# Altium PCB SPEC-A7.PcbDoc (part 5 of 10)
Units mm, origin at the board's own origin, x right, y up, seen from the top; angles counter-clockwise.
Board outline 160 x 100 mm, 6 copper layers (Top Layer, L2, L3, L4, L5, Bottom Layer), stack 1.61 mm thick; 746 components, 489 nets, 2774 pads, 1740 vias.
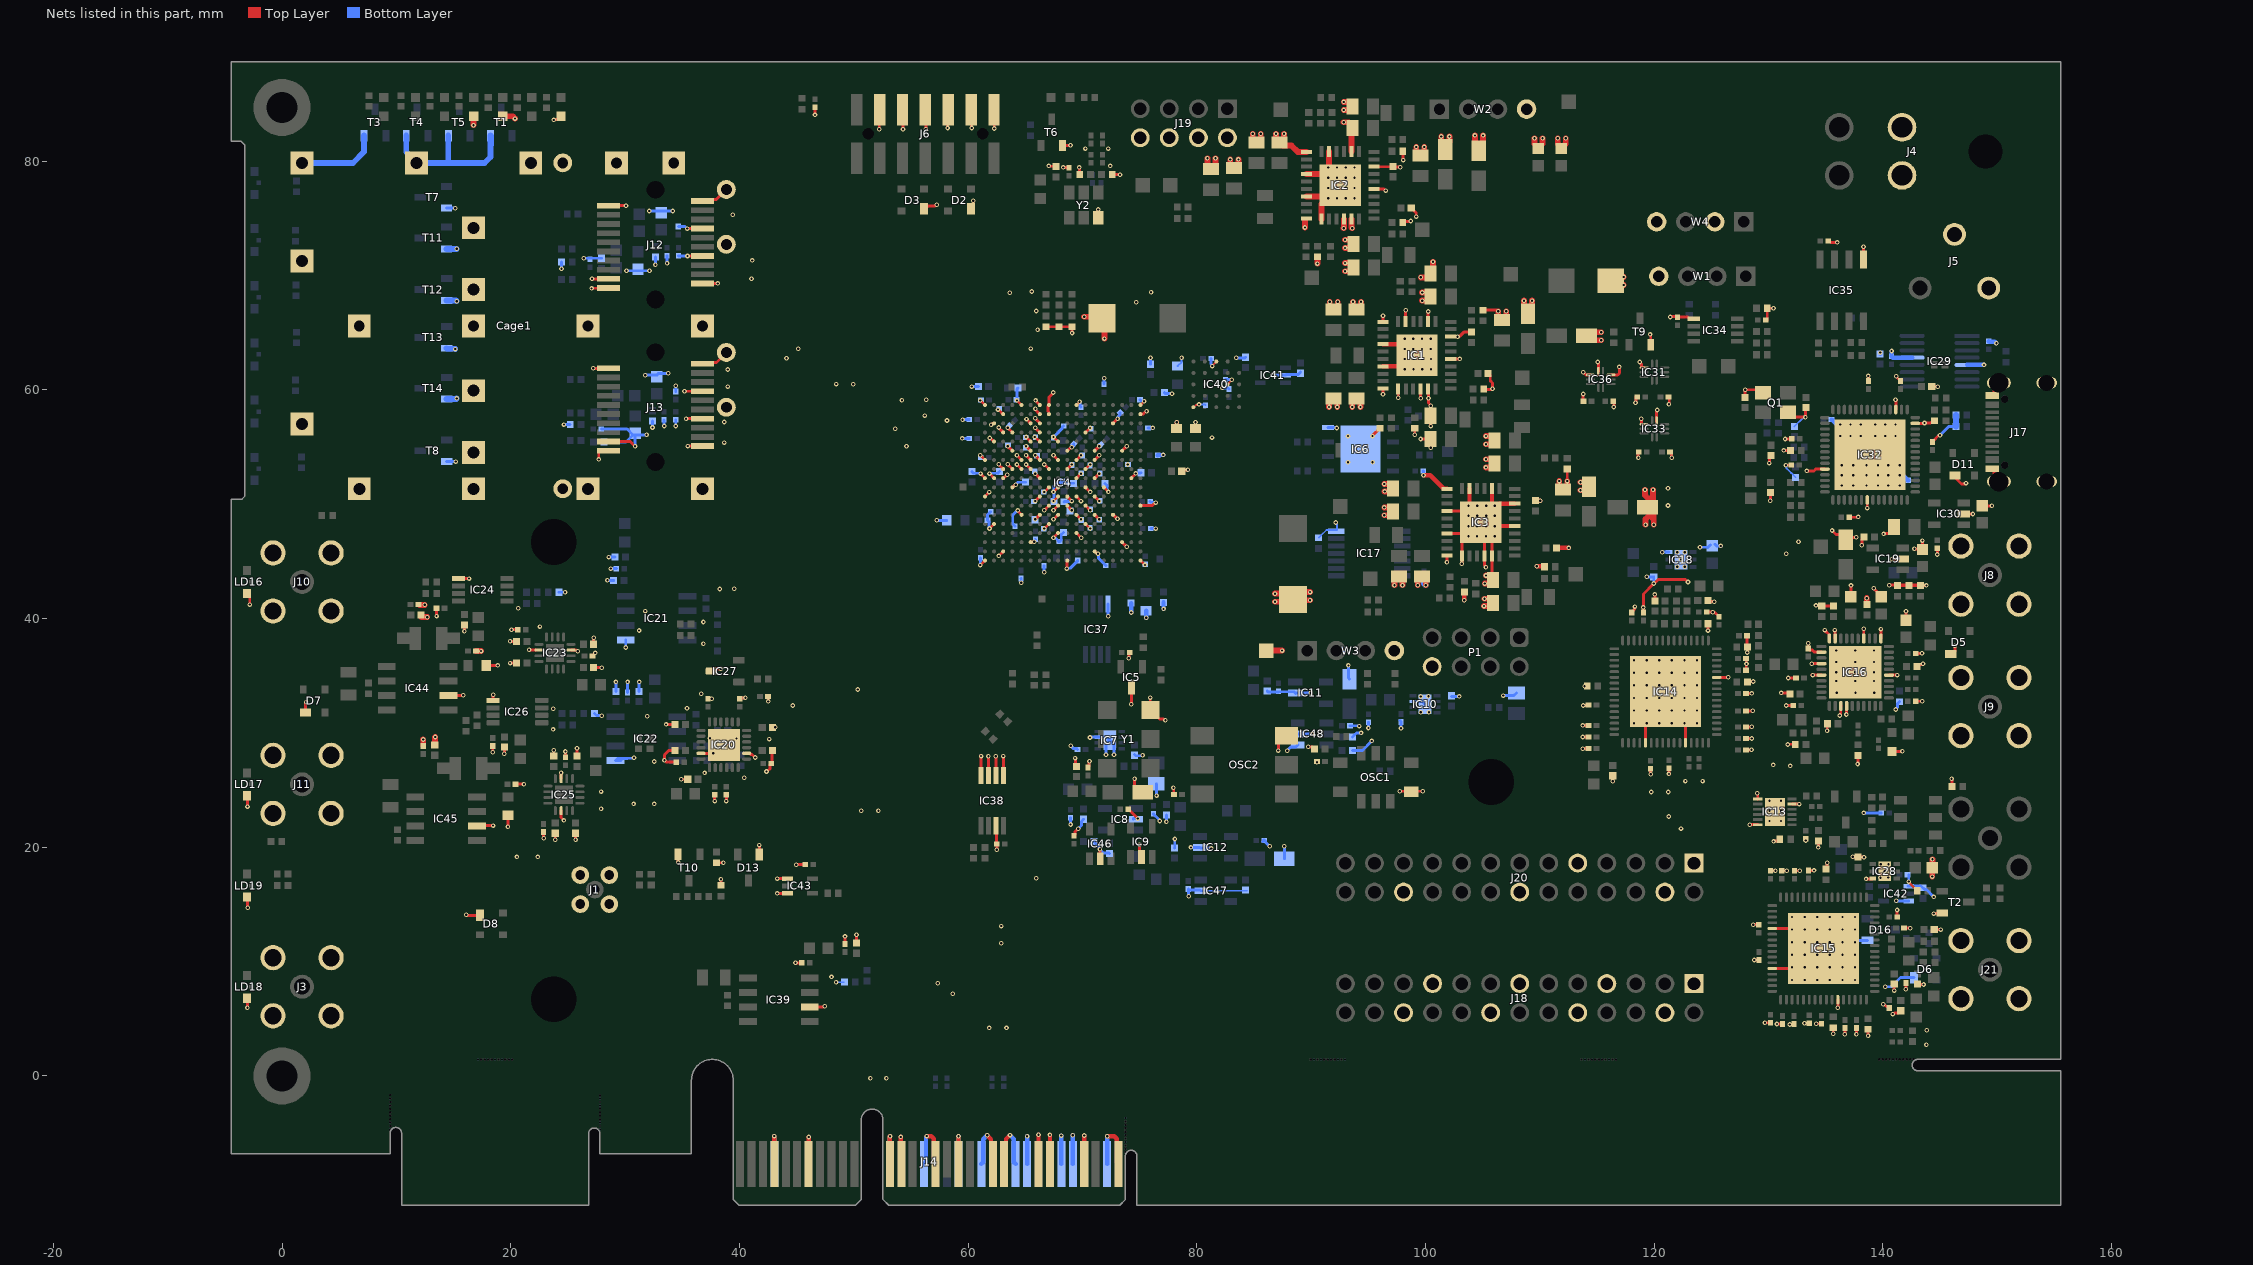
[diagram p9: the nets of this part, all layers, seen from the top]

## Via types
v1: diameter 0.4, hole 0.2, Top Layer to Bottom Layer, tented both sides, 1622 vias
v2: diameter 0.5, hole 0.2, Top Layer to Bottom Layer, tented both sides, 73 vias
v3: diameter 0.4, hole 0.2, Top Layer to Bottom Layer, 45 vias

## Nets (pads, with @x,y where several pads share a name; then routed paths per layer and width w, separated by ;. In a path a pad name is that pad's centre, name@x,y a point inside that pad or via, vN(x,y) a via of type N, cw(c..) or ccw(c..) an arc to the next point about the centre after c; other vN are vias at no path point) (continued)
GND: C1.2 C2.2 C3.2 C4.2 C5.2 C6.2 C7.1 C8.1 C9.1 C10.1 C11.1 C12.1 C13.1 C14.1 C15.1 C16.1 C17.1 C18.1 C19.1 C20.1 C21.1 C22.1 C23.1 C24.1 C25.1 C26.1 C27.1 C28.1 C29.1 C30.1 C31.1 C32.1 C33.1 C34.1 C35.1 C36.1 C37.1 C38.1 C39.1 C40.1 C41.1 C42.1 C43.1 C52.1 C54.1 C56.1 C57.1 C58.1 C59.1 C60.1 C61.1 C62.1 C63.1 C64.1 C65.1 C66.1 C67.1 C68.1 C69.1 C70.1 C71.1 C72.1 C73.1 C74.1 C75.1 C76.1 C77.1 C78.1 C79.1 C80.1 C81.1 C82.1 C83.1 C84.1 C85.1 C86.1 C87.1 C88.1 C89.1 C90.1 C91.1 C92.1 C93.1 C94.1 C95.1 C96.1 C97.1 C98.1 C99.1 C100.1 C101.1 C102.1 C103.2 C104.2 C105.1 C106.1 C107.1 C108.1 C109.1 C110.1 C111.1 C112.1 C113.1 C114.1 C115.1 C116.1 C117.1 C118.1 C119.1 C120.1 C121.1 C122.1 C123.1 C124.1 C125.1 C126.1 C127.1 C128.1 C129.1 C130.1 C131.1 C132.1 C133.1 C134.1 C135.1 C136.1 C137.1 C138.1 C139.1 C140.1 C141.1 C142.1 C143.1 C144.1 C145.1 C146.2 C147.1 C148.1 C149.1 C150.1 C153.1 C154.1 C155.1 C156.1 C157.2 C158.1 C159.1 C160.1 C161.2 C162.1 C163.1 C164.1 C168.2 C171.1 C172.1 C175.1 C176.1 C181.1 C182.1 C183.1 C184.1 C185.1 C186.1 C187.1 C188.1 C189.1 C190.1 C191.1 C192.1 C193.1 C194.1 C195.1 C196.1 C197.1 C198.1 C199.1 C200.1 C201.1 C202.1 C203.1 C204.1 C205.1 C206.1 C207.1 C208.1 C209.1 C210.1 C211.1 C212.1 C213.1 C214.1 C215.1 C216.1 C217.1 C218.1 C219.1 C220.1 C225.1 C226.1 C227.1 C229.1 C230.1 C231.1 C232.1 C233.1 C234.1 C235.1 C236.1 C237.1 C238.1 C239.1 C240.2 C241.1 C242.1 C243.1 C244.1 C245.1 C246.1 C247.1 C248.1 C249.1 C250.1 C251.1 C252.1 C253.1 C254.1 C255.1 C256.1 C257.1 C258.1 C259.1 C260.1 C261.1 C262.1 C263.1 C264.1 C265.1 C266.1 C267.1 C268.1 C269.1 C270.1 C271.1 C272.1 C273.1 C274.1 C275.1 C276.1 C277.1 C278.1 C279.1 C280.1 C281.1 C282.1 C283.1 C284.1 C285.1 C286.1 C287.1 C288.1 C289.1 C290.1 C291.1 C292.1 C293.1 C294.1 C295.1 C296.1 C297.1 C298.1 C299.1 C300.1 C301.1 C302.1 C303.1 C304.1 C305.1 C306.1 C307.1 C308.1 C309.1 C310.1 C311.1 C312.1 C313.1 C314.2 C315.1 C316.1 C317.1 C318.1 C319.1 C320.1 C321.1 C322.1 C323.1 C324.1 C325.1 C326.1 C327.1 C328.1 C329.1 C330.1 C331.1 C332.2 C333.2 C334.1 C337.1 C338.1 C339.1 C341.1 C342.1 C343.2 C344.1 C345.1 C351.1 C352.1 C353.1 C354.1 C355.1 C356.1 C357.1 Cage1.1 Cage1.2 Cage1.3 Cage1.4 Cage1.5 Cage1.6 Cage1.7 Cage1.8 Cage1.9 Cage1.10 Cage1.11 Cage1.12 Cage1.13 Cage1.14 Cage1.15 Cage1.16 Cage1.17 Cage1.18 Cage1.19 Cage1.20 Cage1.21 Cage1.22 Cage1.23 Cage1.24 Cage1.25 D1.2 D2.1 D3.1 D5.1 D6.1 D7.1 D8.1 D11.1 D13.1 D16.1 IC1.2 IC1.5 IC1.7 IC1.10 IC1.13 IC1.16 IC1.17 IC1.20 IC1.21 IC1.27 IC1.30 IC1.33 IC2.2 IC2.5 IC2.7 IC2.10 IC2.13 IC2.16 IC2.17 IC2.20 IC2.21 IC2.27 IC2.30 IC2.33 IC3.2 IC3.5 IC3.7 IC3.10 IC3.13 IC3.16 IC3.17 IC3.20 IC3.21 IC3.27 IC3.30 IC3.33 IC4.A1 IC4.A5 IC4.A7 IC4.A8 IC4.A11 IC4.A18 IC4.B3 IC4.B7 IC4.B8 IC4.B18 IC4.C2 IC4.C6 IC4.C7 IC4.C15 IC4.D3 IC4.D4 IC4.D7 IC4.D12 IC4.E2 IC4.E6 IC4.E7 IC4.E9 IC4.F4 IC4.F6 IC4.F10 IC4.F13 IC4.F16 IC4.G1 IC4.G5 IC4.G6 IC4.G7 IC4.G9 IC4.G11 IC4.G13 IC4.H3 IC4.H4 IC4.H5 IC4.H6 IC4.H8 IC4.H10 IC4.H12 IC4.J1 IC4.J2 IC4.J3 IC4.J7 IC4.J11 IC4.J13 IC4.J17 IC4.K4 IC4.K8 IC4.K9 IC4.K12 IC4.K14 IC4.L1 IC4.L7 IC4.L9 IC4.L10 IC4.L11 IC4.L13 IC4.M8 IC4.M9 IC4.M10 IC4.M12 IC4.M18 IC4.N5 IC4.N7 IC4.N9 IC4.N11 IC4.N13 IC4.N15 IC4.P2 IC4.P8 IC4.P12 IC4.R9 IC4.R11 IC4.T6 IC4.T16 IC4.U3 IC4.U13 IC4.V1 IC4.V10 IC4.V18 IC5.3 IC6.4 IC6.9 IC7.3 IC7.9 IC8.2 IC9.2 IC10.3 IC10.9 IC11.2 IC12.2 IC13.5 IC13.7 IC13.12 IC13.13 IC14.37 IC14.44 IC14.59 IC14.65 IC15.37 IC15.44 IC15.59 IC15.65 IC16.2 IC16.4 IC16.6 IC16.13 IC16.14 IC16.25 IC16.31 IC16.34 IC16.39 IC16.40 IC16.41 IC17.7 IC18.3 IC18.7 IC19.2 IC20.11 IC20.20 IC20.25 IC21.5 IC22.5 IC23.7 IC23.14 IC24.5 IC25.7 IC25.14 IC26.5 IC27.3 IC28.3 IC28.7 IC29.5 IC29.13 IC30.2 IC31.3 IC32.10 IC32.21 IC32.41 IC32.45 IC32.57 IC33.1 IC33.3 IC34.1 IC35.5 IC36.2 IC36.3 IC36.10 IC37.4 IC38.1 IC38.2 IC38.3 IC38.4 IC38.7 IC39.6 IC40.B3 IC40.C1 IC40.E5 IC41.2 IC42.1 IC42.3 IC43.1 IC43.3 IC44.6 IC45.6 IC46.2 IC47.2 IC48.1 IC48.2 J1.2 J3.2 J4.1 J4.2 J5.2 J5.3 J6.1 J6.3 J6.5 J6.7 J6.9 J6.11 J8.2 J9.2 J10.2 J11.2 J12.1 J12.9 J12.10 J12.11 J12.14 J12.17 J12.20 J13.1 J13.9 J13.10 J13.11 J13.14 J13.17 J13.20 J14.A4 J14.A12 J14.A15 J14.A18 J14.A20 J14.A23 J14.A24 J14.A27 J14.A28 J14.A31 J14.B4 J14.B7 J14.B12 J14.B13 J14.B16 J14.B18 J14.B21 J14.B22 J14.B25 J14.B26 J14.B29 J14.B32 J17.1 J17.2 J17.3 J17.4 J17.A1-B12 J17.B1-A12 J18.1 J18.4 J18.7 J18.10 J18.13 J18.16 J18.19 J18.22 J19.2 J19.4 J19.6 J19.8 J20.1 J20.4 J20.9 J20.14 J20.22 J21.2 L1.2 LD2.1 LD6.1 LD7.1 LD9.1 LD16.1 LD17.1 LD18.1 LD19.1 OSC1.4 OSC2.3 P1.8 Q1.2 Q1.4 R5.1 R9.1 R12.1 R13.1 R18.1 R21.1 R23.1 R25.1 R37.1 R39.1 R54.1 R55.1 R56.1 R63.1 R65.1 R66.1 R67.1 R68.1 R69.1 R70.1 R71.1 R76.2 R77.2 R81.1 R98.1 R103.1 R104.1 R105.2 R106.2 R112.1 R114.1 R122.1 R128.1 R129.1 R130.1 R147.2 R152.1 R153.1 R156.2 R157.2 R158.2 R177.1 R178.1 R194.1 R199.1 T1.2 T2.2 T3.2 T4.2 T5.2 T6.2 T7.2 T8.2 T9.2 T10.2 T11.2 T12.2 T13.2 T14.2 TP6.1 W1.4 W2.4 W3.4 W4.2 W4.4 Y1.3 Y2.3 | length 677.4
  Top Layer w0.152: IC40.E5@79.697,58.48 79.748,58.48 79.95,58.682 80.135,58.682 v1(80.183,58.729) ; v1(81.351,62.081) 81.351,62.107 81.697,62.454 IC40.C1@81.697,62.48 ; IC40.B3@82.697,60.48 82.697,60.506 83.053,60.861 v1(83.053,60.887)
  Top Layer w0.254: LD17.1@-3.05,24.5 -3.025,24.475 v1(-3.025,23.559) ; LD16.1@-3.05,42.2 -2.83,41.98 v1(-2.83,41.222) ; v1(-3.03,5.96) LD18.1@-3.03,6.8 ; LD19.1@-3.019,15.651 -3.019,14.72 v1(-3.013,14.714) ; D7.1@2.05,31.8 2.05,32.61 2.1,32.66 v1(2.1,32.7) ; C266.1@13.5,40.9 13.5,40.232 v1(13.513,40.219) ; IC44.6@14.55,33.265 15.775,33.265 15.81,33.3 v1(15.85,33.3) ; IC24.5@15.413,43.495 15.415,43.497 16.347,43.497 v1(16.35,43.5) ; v1(15.946,38.884) 15.948,38.886 15.948,39.448 C265.1@15.95,39.45 ; v1(16.1,14.1) 16.14,14.1 16.19,14.05 D8.1@17.3,14.05 ; IC45.6@17.05,21.865 17.085,21.9 v1(18.45,21.9) ; C341.1@17.85,35.9 v1(18.85,35.9) ; v1(18.425,28.313) C273.1@18.425,28.852 ; IC26.5@18.459,32.844 v1(18.459,33.349) ; v1(19.441,28.186) C272.1@19.441,28.752 ; v1(19.75,21.8) C342.1@19.75,22.8 ; v1(19.936,36.106) C280.1@20.502,36.106 ; v1(19.936,38.011) C264.1@20.502,38.011 ; v1(20.063,39.027) C262.1@20.602,39.027 ; C357.1@20.409,25.516 21.133,25.516 v1(21.15,25.5) ; v1(21.6,37.266) 21.619,37.247 IC23.14@22.2,37.247 ; v1(22.872,20.79) C269.1@22.872,21.329 ; v1(23.747,83.604) 23.786,83.604 23.834,83.652 24.106,83.652 LD2.1@24.379,83.925 ; C270.1@23.761,27.971 v1(23.761,28.479) ; v1(23.888,20.663) C267.1@23.888,21.229 ; IC25.14@24.4,23.2 24.402,23.198 24.402,22.594 v1(24.65,22.346) ; IC25.7@24.4,26 v1(24.4,26.509) ; C268.1@24.777,27.871 v1(24.777,28.373) ; IC23.7@25.273,37.245 25.275,37.243 25.711,37.243 25.808,37.146 v1(25.848,37.146) v1@25.851,37.143 ; v1(25.666,20.663) C279.1@25.666,21.229 ; C271.1@25.793,27.971 v1(25.793,28.664) ; v1(27.067,68.872) 27.084,68.89 28.532,68.89 J12.10@28.55,68.907 ; v1(27.105,69.707) J12.9@28.55,69.707 ; C261.1@27.144,36.741 v1(27.398,36.995) ; v1(27.223,61.883) J13.1@28.55,61.883 ; C260.1@27.244,35.725 27.254,35.715 27.947,35.715 v1(27.958,35.704) ; C263.1@27.244,37.757 v1(27.244,38.334) ; v1(27.697,53.916) 27.697,54.56 27.82,54.683 J13.10@28.55,54.683 ; J13.9@28.55,55.483 30.448,55.483 v1(30.872,55.059) ; J12.1@28.55,76.107 v1(30.076,76.107) ; v1(29.196,34.456) v1@29.196,34.496 ; v1@30.184,34.484 v1(30.212,34.456) ; v1(33.578,30.742) C276.1@34.369,30.742 ; C277.1@34.369,28.456 33.806,28.456 33.434,28.085 v1(33.434,27.602) 33.474,27.602 33.635,27.44 C253.1@34.469,27.44 ; v1(34.634,18.675) T10.2@34.634,19.378 ; v1(34.898,25.947) C256.1@35.477,25.947 ; v1(35.192,59.883) J13.17@36.75,59.883 ; v1(35.328,57.483) J13.14@36.75,57.483 ; v1(35.442,74.107) J12.17@36.75,74.107 ; v1(35.455,71.707) J12.14@36.75,71.707 ; v1(35.468,55.083) J13.11@36.75,55.083 ; IC20.11@36.629,28.214 37.356,28.214 37.422,28.281 v1(37.422,29.532) 38.061,29.532 IC20.25@38.629,28.964 ; J13.20@36.75,62.283 36.873,62.406 37.981,62.406 Cage1.19@38.85,63.275 ; J12.11@36.75,69.307 v1(38.087,69.307) ; J12.20@36.75,76.507 36.873,76.63 37.955,76.63 Cage1.17@38.85,77.525 ; C255.1@37.232,32.997 37.242,32.987 37.559,32.987 v1(37.569,32.977) ; IC27.3@37.55,35.4 37.722,35.572 38.322,35.572 v1(38.35,35.6) ; v1(37.832,24.042) C252.1@37.832,24.581 ; R153.1@37.997,18.647 v1(38.594,18.647) ; R152.1@38.378,16.666 v1(38.378,17.212) ; v1(38.848,24.042) C251.1@38.848,24.581 ; C254.1@40.026,32.997 40.063,32.997 40.124,33.058 40.49,33.058 v1(40.518,33.086) ; IC20.20@40.629,28.214 40.891,28.214 40.987,28.118 41.091,28.118 41.358,27.852 v1(41.388,27.852) ; D13.1@41.741,19.378 v1(41.741,20.194) ; v1(42.363,26.623) 42.403,26.623 42.623,26.844 42.666,26.844 42.666,27.215 42.764,27.313 C250.1@42.789,27.313 42.839,27.363 42.839,28.406 C278.1@42.889,28.456 ; C274.1@42.5,33.2 42.512,33.187 42.512,32.768 v1(42.525,32.755) ; C275.1@42.889,30.488 v1(43.123,30.488) C275.1@43.151,30.516 ; v1(43.314,15.965) IC43.3@44.183,15.965 ; v1(43.314,17.265) IC43.1@44.183,17.265 ; v1(44.9,9.895) C303.1@45.439,9.895 ; v1(44.956,18.482) C54.1@45.649,18.482 ; IC39.6@46.138,6.038 47.348,6.038 47.41,6.1 v1(47.45,6.1) ; v1(46.604,84.042) C134.1@46.604,84.708 ; C324.1@49.213,11.533 49.213,12.184 v1(49.229,12.201) ; C325.1@50.229,11.633 50.229,12.344 v1(50.236,12.351) ; v1(52.217,82.801) 52.221,82.805 52.221,84.481 J6.11@52.256,84.516 ; J6.9@54.256,84.516 54.295,84.477 54.295,82.805 v1(54.3,82.8) ; J6.7@56.256,84.516 56.295,84.477 56.295,82.805 v1(56.3,82.8) ; D3.1@56.3,75.85 56.535,76.085 57.096,76.085 57.21,76.2 v1(57.25,76.2) ; v1(58.2,82.9) 58.2,84.46 J6.5@58.256,84.516 ; J6.3@60.256,84.516 60.3,84.471 v1(60.3,82.9) ; D2.1@60.4,75.85 60.447,75.897 v1(60.447,76.549) ; v1(61.064,44.676) IC4.V1@61.464,45.076 ; v1(61.064,54.276) IC4.G1@61.464,53.876 ; v1(61.064,59.076) IC4.A1@61.464,58.676 ; v1(61.081,52.68) 61.081,52.669 61.464,52.287 IC4.J1@61.464,52.276 ; v1@61.084,28.019 v1(61.125,27.978) 61.124,27.977 61.124,26.283 IC38.4@61.123,26.282 ; IC4.L1@61.464,50.676 v1(61.85,51.062) ; IC38.3@61.773,26.282 v1(61.773,27.963) ; v1(61.864,47.876) IC4.P2@62.264,48.276 ; v1(61.864,52.68) 61.864,52.678 62.264,52.278 IC4.J2@62.264,52.276 ; v1(61.89,55.788) 61.925,55.788 62.238,55.476 IC4.E2@62.264,55.476 ; v1(61.999,56.954) 62.039,56.954 62.142,57.057 62.245,57.057 IC4.C2@62.264,57.076 ; J6.1@62.256,84.516 62.275,84.496 v1(62.275,82.856) ; IC38.7@62.423,21.882 62.466,21.838 62.466,20.315 C33.1@62.51,20.272 v1(62.51,19.795) ; IC38.2@62.423,26.282 v1(62.423,27.948) ; v1(62.61,58.276) 62.638,58.276 63.038,57.876 IC4.B3@63.064,57.876 ; v1(62.664,45.476) IC4.U3@63.064,45.876 ; v1(62.664,53.492) 62.664,53.484 63.064,53.084 IC4.H3@63.064,53.076 ; v1(62.664,56.711) 62.664,56.693 63.064,56.293 IC4.D3@63.064,56.276 ; IC4.J3@63.064,52.276 63.086,52.276 63.392,52.581 v1(63.414,52.581) ; IC38.1@63.073,26.282 v1(63.073,27.978) ; v1(63.464,53.489) 63.464,53.482 63.864,53.082 IC4.H4@63.864,53.076 ; v1(63.464,55.076) IC4.F4@63.864,54.676 ; v1(63.464,56.676) IC4.D4@63.864,56.276 ; IC4.K4@63.864,51.476 63.89,51.476 64.114,51.7 v1(64.15,51.7) ; v1(64.264,53.476) IC4.H5@64.664,53.076 ; v1(64.264,54.276) IC4.G5@64.664,53.876 ; v1(64.264,59.076) IC4.A5@64.664,58.676 ; v1(64.323,49.456) 64.323,49.436 64.664,49.095 IC4.N5@64.664,49.076 ; v1(65.064,53.476) IC4.H6@65.464,53.076 ; v1(65.064,54.276) IC4.G6@65.464,53.876 ; v1(65.064,55.076) IC4.F6@65.464,54.676 ; v1(65.064,55.876) IC4.E6@65.464,55.476 ; v1(65.099,57.446) 65.099,57.443 65.464,57.079 IC4.C6@65.464,57.076 ; IC4.T6@65.464,46.676 65.482,46.694 65.689,46.694 65.725,46.73 v1(65.765,46.73) ; v1(65.829,55.876) 65.85,55.876 66.25,55.476 IC4.E7@66.264,55.476 ; v1(65.864,48.676) IC4.N7@66.264,49.076 ; v1(65.864,50.276) IC4.L7@66.264,50.676 ; v1(65.864,52.676) IC4.J7@66.264,52.276 ; v1(65.864,54.276) IC4.G7@66.264,53.876 ; v1(65.864,56.676) IC4.D7@66.264,56.276 ; v1(65.864,57.511) 65.864,57.489 66.264,57.089 IC4.C7@66.264,57.076 ; v1(65.877,58.346) 65.875,58.343 65.875,58.264 IC4.B7@66.264,57.876 ; v1(65.891,59.076) 65.891,59.062 66.264,58.689 IC4.A7@66.264,58.676 ; v1(66.664,47.876) IC4.P8@67.064,48.276 ; v1(66.664,49.476) IC4.M8@67.064,49.876 ; v1(66.664,51.076) IC4.K8@67.064,51.476 ; v1(66.664,53.476) IC4.H8@67.064,53.076 ; R128.1@66.797,65.522 R129.1@67.94,65.522 R130.1@69.083,65.522 v1(69.083,64.976) ; v1(67.051,79.581) 67.079,79.553 67.656,79.553 C163.1@67.686,79.523 ; IC4.B8@67.064,57.876 67.045,57.894 67.045,58.068 66.983,58.13 66.983,58.569 67.064,58.65 IC4.A8@67.064,58.676 67.064,59.361 67.432,59.729 v1(67.432,59.769) ; v1(67.464,47.076) IC4.R9@67.864,47.476 ; v1(67.464,48.676) IC4.N9@67.864,49.076 ; v1(67.464,49.476) IC4.M9@67.864,49.876 ; v1(67.464,50.276) IC4.L9@67.864,50.676 ; v1(67.464,51.076) IC4.K9@67.864,51.476 ; v1(67.464,54.276) IC4.G9@67.864,53.876 ; v1(67.464,55.876) IC4.E9@67.864,55.476 ; T6.2@68.255,81.368 68.878,81.368 68.91,81.4 v1(68.95,81.4) ; v1(68.321,79.454) 68.336,79.438 68.813,79.438 C164.1@68.829,79.423 ; v1(68.629,44.374) 68.646,44.391 68.646,45.058 IC4.V10@68.664,45.076 ; IC4.M10@68.664,49.876 v1(69.064,49.476) ; IC4.L10@68.664,50.676 v1(69.064,50.276) ; IC4.H10@68.664,53.076 v1(69.064,53.476) ; IC4.F10@68.664,54.676 68.69,54.676 68.973,54.958 69.036,54.958 v1(69.064,54.986) ; C145.1@69.25,21 69.348,21.098 69.348,21.355 v1(69.613,21.62) ; v1(69.35,27.8) 69.378,27.772 69.378,27.158 C135.1@69.464,27.072 ; IC4.R11@69.464,47.476 69.478,47.476 69.878,47.076 v1(69.892,47.076) ; IC4.N11@69.464,49.076 v1(69.864,48.676) ; IC4.L11@69.464,50.676 v1(69.864,50.276) ; IC4.J11@69.464,52.276 v1(69.864,52.676) ; IC4.G11@69.464,53.876 v1(69.864,54.276) ; IC4.A11@69.464,58.676 v1(69.739,58.95) ; v1(69.718,79.454) 69.737,79.435 69.737,78.838 R55.1@69.756,78.819 ; IC4.P12@70.264,48.276 v1(70.664,47.876) ; IC4.M12@70.264,49.876 v1(70.664,49.476) ; IC4.K12@70.264,51.476 v1(70.664,51.076) ; IC4.H12@70.264,53.076 v1(70.664,53.476) ; IC4.D12@70.264,56.276 v1(70.656,56.668) ; C136.1@70.48,26.972 70.578,27.07 70.578,27.452 70.609,27.483 v1(70.609,27.523) ; IC4.U13@71.064,45.876 71.09,45.876 71.268,45.698 71.323,45.698 v1(71.351,45.67) ; IC4.N13@71.064,49.076 v1(71.464,48.676) ; IC4.L13@71.064,50.676 v1(71.464,50.276) ; IC4.J13@71.064,52.276 v1(71.464,52.676) ; IC4.G13@71.064,53.876 v1(71.464,54.276) ; IC4.F13@71.064,54.676 v1(71.464,55.076) ; Y2.3@71.369,75.052 v1(71.369,75.771) ; v3@71.535,19.822 71.535,19.015 IC46.2@71.55,19 ; IC4.K14@71.864,51.476 v1(72.264,51.076) ; R56.1@72.601,78.819 v1(73.274,78.819) ; IC4.N15@72.664,49.076 72.69,49.076 73.029,48.736 v1(73.058,48.736) ; IC4.C15@72.664,57.076 v1(73.064,57.476) ; IC4.T16@73.464,46.676 v1(73.864,46.276) ; IC4.F16@73.464,54.676 73.464,54.679 73.861,55.076 v1(73.861,55.079) ; C147.1@74.005,23.32 74.03,23.32 74.825,22.524 v1(74.825,22.51) ; v1(74.036,36.528) 74.064,36.556 74.064,36.968 C132.1@74.132,37.036 ; v1(74.25,32.5) 74.27,32.52 74.27,33.957 IC5.3@74.29,33.977 ; IC4.J17@74.264,52.276 74.264,52.284 74.664,52.684 v1(74.664,52.693) ; v1(74.55,26) 74.55,25.298 75.048,24.8 C146.2@75.25,24.8 ; v1(74.984,20.203) 74.977,20.196 74.977,19.323 IC9.2@75.15,19.15 ; IC4.V18@75.064,45.076 75.07,45.076 75.458,44.688 v1(75.464,44.688) ; IC4.M18@75.064,49.876 76.094,49.876 76.361,50.143 v1(76.401,50.143) ; IC4.B18@75.064,57.876 75.082,57.894 75.312,57.894 75.559,58.141 v1(75.598,58.141) ; IC4.A18@75.064,58.676 v1(75.382,58.994) ; v1(75.925,33.088) 75.925,32.03 Y1.3@75.95,32.005 ; Y1.3@76.387,31.474 76.476,31.474 76.72,31.23 77.081,31.23 77.21,31.1 v1(77.25,31.1) ; v3(77.95,25.2) 77.975,25.175 77.975,24.625 C337.1@78,24.6 ; C117.1@78.677,52.886 78.786,52.995 79.19,52.995 v1(79.218,53.023) ; C119.1@79.878,56.632 v1(79.878,57.169) ; v1(87.121,28.457) 87.121,29.228 87.633,29.74 OSC2.3@87.835,29.74 OSC2.3@87.85,29.725 ; v3(89.75,28.8) 89.778,28.772 90.128,28.772 C153.1@90.3,28.6 ; v3(90.5,27.428) C154.1@90.5,27.5 ; v1(95.359,55.959) 95.387,55.987 95.387,56.032 95.987,56.632 R9.1@96.007,56.632 ; IC2.27@95.499,77.565 96.339,77.565 96.475,77.428 v1(96.515,77.428) ; IC2.30@95.499,79.515 97.126,79.515 C8.1@97.15,79.539 97.191,79.498 97.757,79.498 v1(97.785,79.47) ; v1(96.278,59.624) IC1.16@96.278,60.104 ; IC1.7@96.278,65.954 v1(96.278,66.482) ; v1(97.608,59.311) IC1.17@97.608,60.066 ; v3(97.75,24.9) 98.71,24.9 OSC1.4@98.75,24.86 98.79,24.9 v3(99.75,24.9) ; R23.1@98.001,74.644 98.098,74.741 98.677,74.741 v1(98.705,74.769) ; R21.1@98.001,80.867 98.02,80.848 98.02,80.114 v1(98.039,80.095) ; IC1.5@98.258,65.991 v1(98.258,66.972) ; C30.1@98.743,75.914 99.182,75.475 v1(99.182,75.152) ; v1(99.055,56.086) R5.1@99.055,56.632 ; v1(99.563,55.705) C19.1@100.441,55.705 v1(100.441,54.946) v1@100.452,54.935 ; v1(99.566,59.263) IC1.20@99.566,60.066 ; IC1.21@100.224,60.066 100.238,60.052 100.238,59.273 v1(100.252,59.259) 100.252,58.843 100.441,58.654 v1(100.441,58.615) C20.1@100.441,57.737 v1(100.441,56.837) ; IC1.2@100.224,65.991 v1(100.224,66.855) ; v1(101.866,44.927) IC3.16@101.866,45.499 ; IC3.13@101.866,47.449 103.854,47.449 103.196,46.791 IC3.17@103.196,45.461 103.177,45.442 103.177,44.802 v1(103.158,44.784) ; IC3.10@101.866,49.399 IC3.33@103.854,49.399 ; IC1.27@102.203,62.704 v1(102.978,62.704) ; IC1.30@102.203,64.654 v1(102.797,64.654) 102.825,64.682 102.983,64.682 103.346,65.045 C7.1@104.008,65.045 ; R13.1@104.986,60.023 105.733,60.023 105.81,60.1 v1(105.85,60.1) 105.85,60.601 105.657,60.794 105.657,61.237 C21.1@105.474,61.42 ; R12.1@105.024,66.97 106.22,66.97 106.309,66.881 v1(106.349,66.881) ; IC3.33@105.154,48.099 IC3.20@105.154,45.461 105.151,45.458 105.151,44.665 105.278,44.538 v1(105.278,44.499) ; IC3.33@105.812,47.441 IC3.21@105.812,45.461 105.812,43.604 105.812,43.476 C41.1@105.902,43.386 ; v1(112.39,52.022) R37.1@112.39,53.076 ; C309.1@113.718,59.007 113.759,59.048 113.759,59.614 v1(113.787,59.642) ; v1@113.752,28.585 v1(113.752,28.625) C211.1@114.248,28.625 ; v1@113.752,29.601 v1(113.752,29.641) C210.1@114.248,29.641 ; v1@113.752,30.617 v1(113.752,30.657) C209.1@114.248,30.657 ; v1(113.785,32.395) 113.805,32.415 114.228,32.415 C208.1@114.248,32.435 ; v1(113.787,61.547) 114.022,61.312 IC36.3@114.411,61.312 ; v1(113.904,34.084) 113.906,34.086 R66.1@114.128,34.086 ; v1(115.057,62.436) 115.057,62.396 115.111,62.342 IC36.2@115.111,61.612 ; IC36.10@116.211,61.312 116.797,61.312 116.946,61.46 v1(116.946,62.004) ; C191.1@116.37,26.258 v1(116.37,25.762) v1@116.409,25.762 ; v1(116.454,58.499) 116.482,58.527 116.482,58.966 C307.1@116.523,59.007 ; C200.1@118.027,40.532 118.125,40.63 118.125,40.655 118.276,40.806 118.276,41.021 v1(118.304,41.049) ; v1(118.359,58.88) 118.387,58.908 118.387,59.358 C308.1@118.417,59.388 ; C310.1@118.544,54.562 118.585,54.521 118.585,54.082 v1(118.613,54.054) ; v1(118.74,62.436) 118.74,62.396 118.864,62.272 118.864,61.974 118.891,61.947 IC31.3@119.11,61.947 ; v1(118.867,57.483) 118.895,57.455 118.895,57.021 118.922,56.994 IC33.3@119.11,56.994 ; C199.1@119.043,40.532 v1(119.043,40.977) 119.043,41.493 119.05,41.5 119.05,42.159 v1(119.956,43.065) 119.995,43.065 120.343,43.413 122.737,43.413 v1(122.95,43.2) ; IC14.37@119.234,29.133 119.234,31.858 v2(119.334,31.958) v2(120.434,33.058) IC14.65@120.984,33.608 v2(121.534,33.058) v2(122.634,31.958) 122.734,31.858 IC14.44@122.734,29.133 ; v1(119.629,64.849) 119.629,64.809 119.69,64.748 T9.2@119.69,63.953 ; C212.1@119.678,26.878 v1(119.678,26.382) v1@119.717,26.382 ; C175.1@120.05,41.55 v1(120.05,42.113) ; IC33.1@120.21,57.244 120.21,58.149 120.263,58.202 v1(120.263,58.241) ; C213.1@121.28,26.907 v1(121.28,26.411) v1@121.319,26.411 ; v1(121.28,58.753) 121.308,58.781 121.308,59.347 C306.1@121.349,59.388 ; v1(121.407,66.373) 121.435,66.401 122.001,66.401 122.042,66.442 122.111,66.373 122.926,66.373 123.094,66.205 IC34.1@123.444,66.205 ; C305.1@121.476,54.562 121.506,54.532 121.506,54.082 v1(121.534,54.054) ; C219.1@124.6,40.563 v1(125.119,40.563) 125.147,40.535 125.288,40.535 125.647,40.176 C214.1@125.647,40.151 ; v1(124.7,38.95) C220.1@124.7,39.547 ; C218.1@124.7,41.579 124.769,41.509 125.219,41.509 v1(125.247,41.481) ; IC14.59@125.459,34.858 v1(126.468,34.858) ; C313.1@127.936,59.344 127.944,59.351 127.944,59.989 v1(127.966,60.012) 129.235,60.012 Q1.2@129.503,59.744 ; C192.1@128.029,28.498 128.04,28.509 128.49,28.509 v1(128.502,28.521) ; C193.1@128.029,29.514 v1(128.525,29.514) v1@128.525,29.553 ; C194.1@128.029,30.53 v1(128.525,30.53) v1@128.525,30.569 ; C195.1@128.029,31.927 v1(128.605,31.927) ; C196.1@128.029,33.451 v1(128.525,33.451) v1@128.525,33.49 ; C197.1@128.029,35.483 128.046,35.499 128.046,36.019 v1(128.062,36.036) 128.046,36.053 128.046,36.482 C198.1@128.029,36.499 C198.1@128.089,36.559 ; C38.1@128.1,38.5 128.124,38.476 128.124,37.539 R70.1@128.149,37.515 128.141,37.507 128.141,37.043 v1(128.134,37.035) ; R68.1@128.149,34.467 128.163,34.481 128.631,34.481 v1(128.646,34.496) ; v1(128.346,21.975) IC13.12@129.05,21.975 ; v1@128.617,34.467 v1@128.646,34.438 ; v1(128.656,13.234) C202.1@129.133,13.234 ; v1(128.741,10.141) 128.745,10.146 129.145,10.146 C185.1@129.15,10.15 ; v1(129.015,24.735) 129.015,24.695 129.05,24.66 IC13.7@129.05,24.227 ; v1(129.673,4.65) C206.1@130.15,4.65 ; C314.2@129.858,66.119 129.878,66.139 R122.1@129.878,67.135 v1(130.424,67.135) ; v1(130.05,53.6) 130.078,53.628 130.078,54.109 C315.1@130.222,54.253 ; C184.1@130.15,17.95 130.156,17.944 130.588,17.944 v1(130.594,17.938) ; v1(130.15,50.3) 130.159,50.309 130.159,50.953 C317.1@130.15,50.962 ; IC15.44@130.325,9.4 132.05,9.4 IC15.65@132.25,9.2 ; IC15.37@130.325,12.9 IC15.65@132.05,12.9 ; v1(130.434,20.51) 130.462,20.537 130.817,20.537 R63.1@130.98,20.7 ; v1(130.725,4.545) C188.1@131.202,4.545 ; v1(131.1,33.5) 131.75,33.5 C237.1@131.85,33.4 ; C201.1@131.15,17.95 v1(131.59,17.95) ; v1(131.313,54.703) R112.1@131.911,54.703 ; v1(131.44,55.705) 131.447,55.712 132.024,55.712 C316.1@132.031,55.719 ; v1(131.514,53.404) 131.522,53.411 131.972,53.411 C318.1@131.979,53.419 ; v1(131.542,32.4) C243.1@132.05,32.4 ; v1(131.683,28.988) 131.705,29.01 132.32,29.01 R81.1@132.33,29 ; Q1.4@131.703,58.044 132.138,57.61 v1(133.218,57.61) 133.218,58.392 C312.1@133.27,58.444 ; v1(131.726,34.801) C242.1@132.292,34.801 ; v1(131.85,4.5) 131.872,4.522 132.195,4.522 C205.1@132.218,4.545 ; IC13.5@132.05,23.775 v1(132.686,23.775) ; C183.1@132.25,17.95 v1(132.727,17.95) ; v1(133.134,4.608) C187.1@133.552,4.608 ; v1(133.25,20.59) C172.1@133.25,20.75 ; v1(133.345,52.911) 133.955,52.911 134.121,53.076 IC32.10@134.921,53.076 ; v1(133.468,37.852) 133.464,37.848 133.464,37.38 C233.1@133.461,37.377 133.461,37.352 133.559,37.254 133.818,37.254 134.013,37.059 IC16.2@134.618,37.059 ; C182.1@133.488,17.976 v1(133.965,17.976) ; v1@133.762,35.059 v1(133.856,35.059) IC16.6@134.618,35.059 ; v1(133.77,36.059) IC16.4@134.618,36.059 ; v1(134.139,41.151) 134.167,41.123 134.617,41.123 C235.1@134.647,41.093 C246.1@135.663,41.093 ; v1(134.154,4.57) C204.1@134.631,4.57 ; v1(134.35,19.984) C171.1@134.35,20.55 ; v1(134.901,38.992) 134.901,38.976 135.318,38.559 IC16.40@135.318,38.259 ; R67.1@135.012,18.096 135.103,18.187 135.103,18.614 v1(135.131,18.642) ; v1(135.107,30.193) 135.129,30.214 135.129,30.779 C244.1@135.15,30.8 ; C304.1@135.314,73.021 135.441,72.894 v1(136.007,72.894) ; v1(135.55,47.7) 135.893,47.357 136.293,47.357 C240.2@136.75,46.9 136.95,47.1 v1(137.65,47.1) v1@137.678,47.128 ; v1(135.65,3.684) R69.1@135.65,4.23 ; v1(135.79,38.992) 135.818,38.964 IC16.39@135.818,38.259 ; v1(136.05,5.964) IC15.59@136.05,6.675 ; v1(136.215,31.521) 136.215,31.561 136.309,31.655 136.309,32.35 IC16.13@136.318,32.359 ; v1(136.663,3.656) C203.1@136.663,4.195 ; v1(136.802,31.608) 136.818,31.624 IC16.14@136.818,32.359 ; C322.1@137.149,48.861 137.756,48.861 137.785,48.889 v1(137.824,48.889) ; C236.1@137.187,41.901 137.187,42.887 v1(137.2,42.9) ; v1(137.346,19.18) 137.364,19.162 137.784,19.162 137.808,19.139 138.331,19.139 v1(138.337,19.133) ; v1(137.679,3.656) C186.1@137.679,4.195 ; v1(137.776,27.283) v1@137.804,27.255 ; v1@137.789,27.272 137.8,27.283 R77.2@137.8,28.03 ; v1(138.15,46.4) 138.173,46.423 138.173,46.937 C241.1@138.356,47.12 ; IC35.5@138.293,71.403 v1(138.293,72.513) ; IC16.34@138.318,38.259 v1(138.318,39.107) ; v1(138.519,17.231) 138.528,17.241 139.09,17.241 IC28.3@139.1,17.25 ; v1@138.621,49.663 IC32.21@138.621,50.376 ; v1(138.695,3.529) R71.1@138.695,4.075 ; v1(138.722,61.221) 138.727,61.217 138.727,60.873 C321.1@138.731,60.868 ; v1(139.187,42.642) 139.187,42.618 C238.1@139.854,41.951 ; IC16.31@139.818,38.259 v1(139.818,39.083) ; v1(140.021,6.279) 140.049,6.251 140.115,6.251 140.22,6.146 140.229,6.146 140.302,6.073 140.452,6.073 140.55,5.975 C189.1@140.55,5.95 ; v1(140.05,47.4) 140.077,47.427 140.552,47.427 140.95,47.825 C52.1@140.95,48.1 ; IC16.25@140.518,35.059 v1(141.247,35.059) ; v1(140.541,42.926) 143.283,42.926 R158.2@143.313,42.895 ; v1(140.75,45.2) 140.757,45.207 141.706,45.207 IC19.2@141.713,45.215 ; LD9.1@140.8,28.375 141.675,28.375 v1(141.7,28.4) ; v1(140.85,5.411) 140.889,5.411 140.998,5.52 141.373,5.52 C181.1@141.556,5.703 ; v1(140.978,7.467) 140.98,7.468 C217.1@140.981,8.032 C217.1@140.981,8.032 ; v1(141.092,59.134) 141.092,59.094 141.121,59.065 IC32.45@141.121,58.276 ; v1(141.15,61.2) 141.15,61.168 141.45,60.868 C320.1@141.525,60.868 ; v1(141.234,14.517) 141.236,14.515 C190.1@141.236,13.896 ; R156.2@141.251,42.891 R157.2@142.079,42.891 ; C207.1@141.839,12.927 v1(142.378,12.927) ; v1(141.997,7.593) C216.1@141.997,8.132 ; C234.1@142.013,39.869 